# KiCad board SparkFun_BlueSMiRF-ESP32_panelized.kicad_pcb (continued)
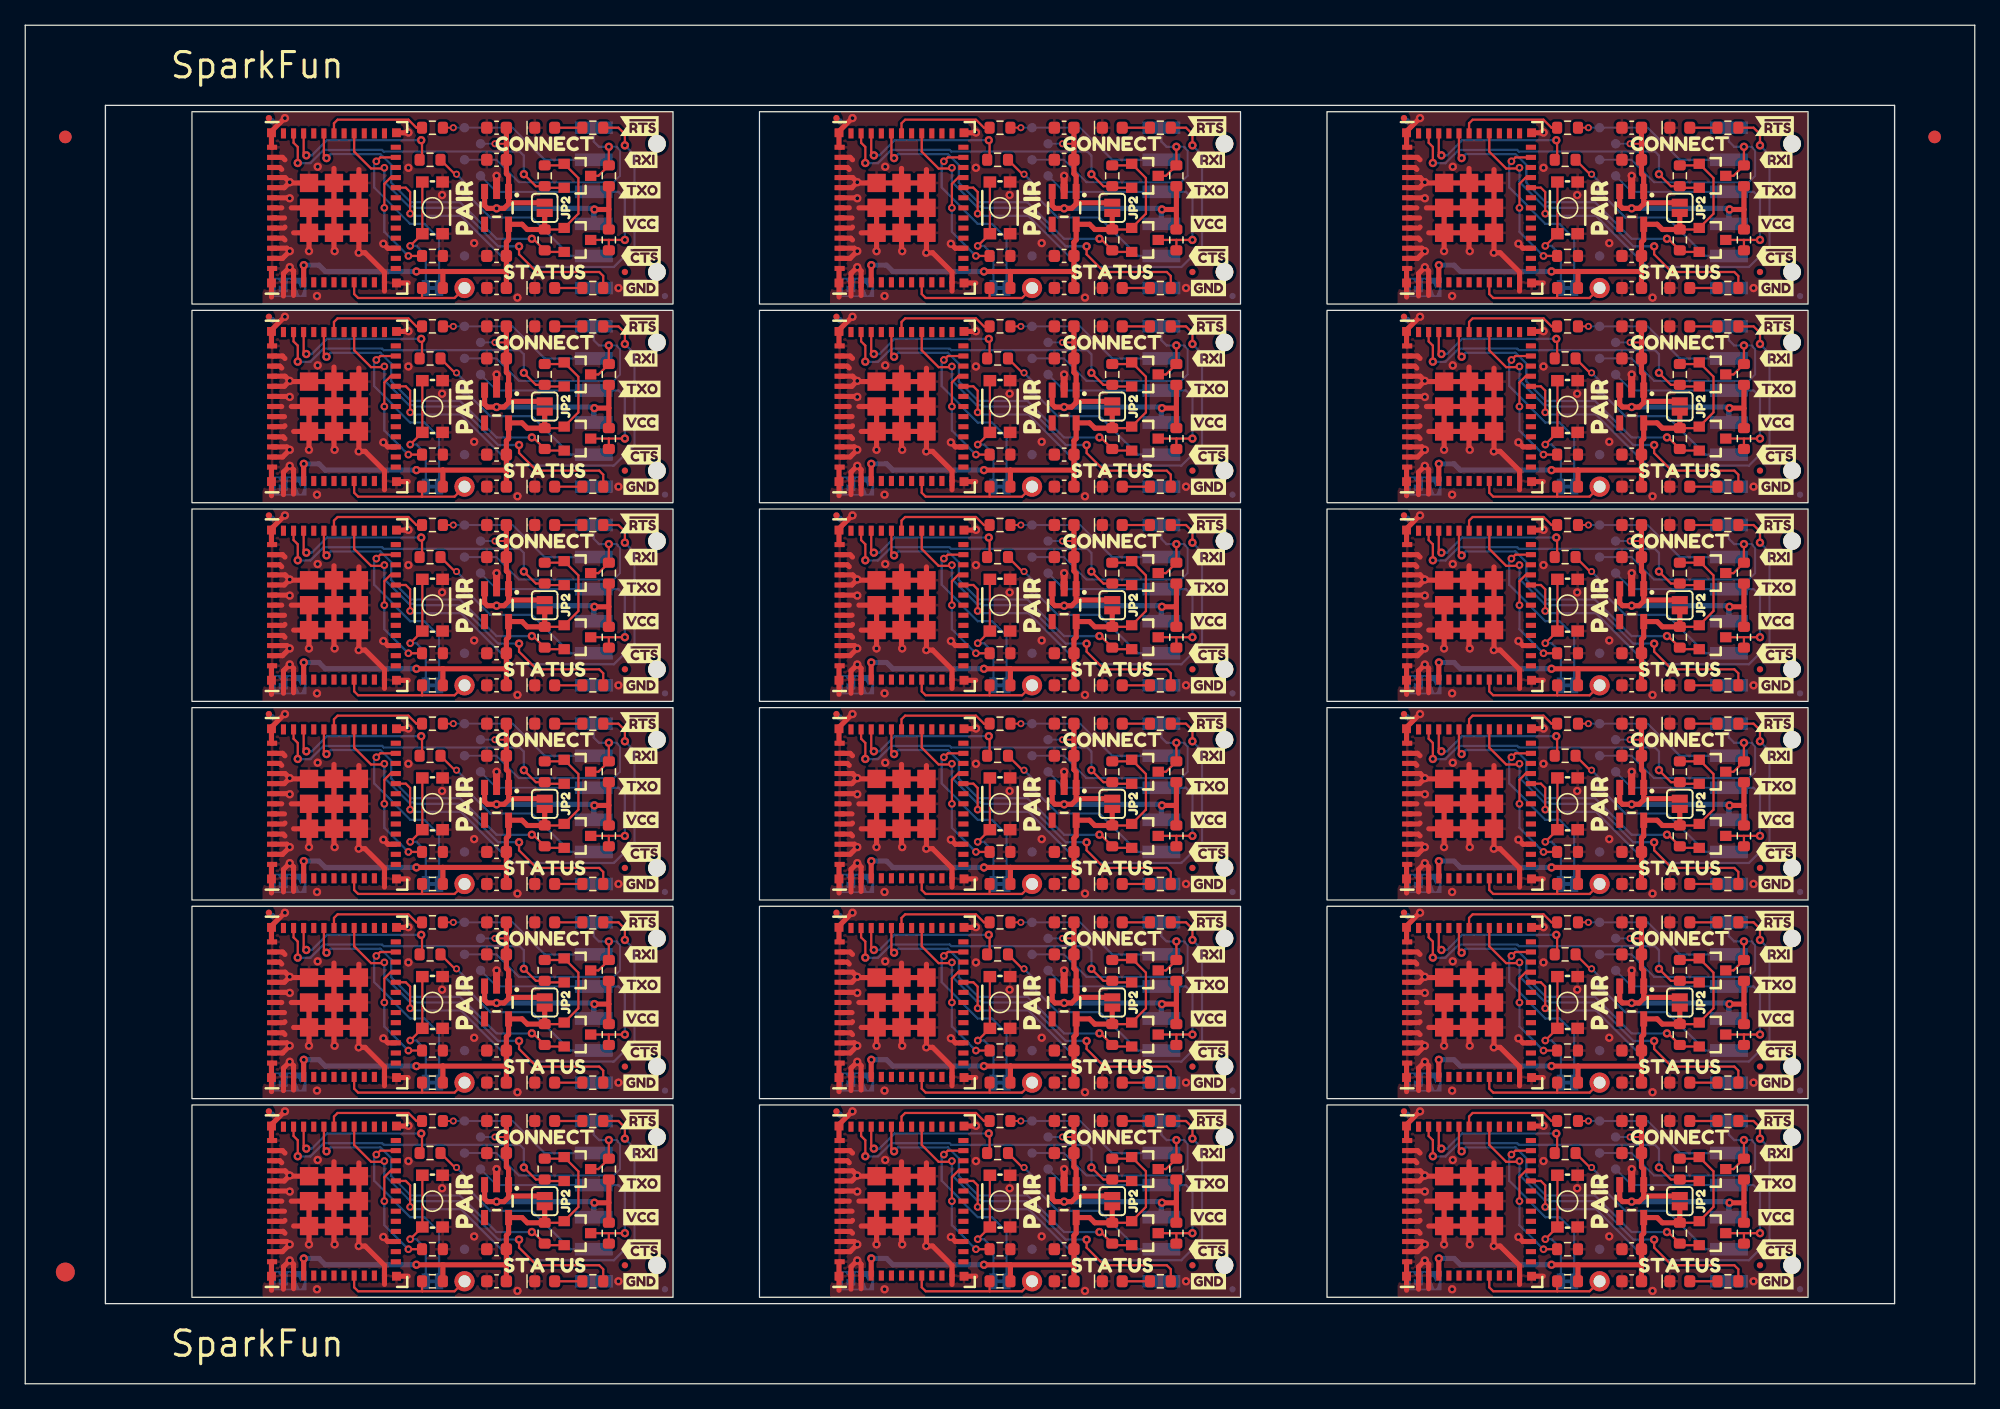
[diagram p0: board, top side]
## Routing (per net, layer and track width the routed paths; a pad name or vN(x,y) marks a point on that pad's centre or on a via; arc(x,y) is an arc through that point) (continued)
VCC: length 521.1
  Top w0.152: v2(37.2,51.03) 38.1,51.03 ; v2(37.2,35.29) 38.1,35.29 ; v2(37.2,66.77) 38.1,66.77 ; v2(127.1,51.03) 128,51.03 ; v2(82.15,19.55) 83.06,19.55 ; v2(127.1,35.29) 128,35.29 ; v2(37.2,19.55) 38.1,19.55 ; v2(127.1,82.51) 128,82.51 ; v2(127.1,98.25) 128,98.25 ; v2(37.2,98.25) 38.1,98.25 ; v2(82.15,51.03) 83.06,51.03 ; v2(82.15,82.51) 83.06,82.51 ; v2(37.2,82.51) 38.1,82.51 ; v2(82.15,98.25) 83.06,98.25 ; v2(82.15,35.29) 83.06,35.29 ; v2(82.15,66.77) 83.06,66.77 ; v2(127.1,19.55) 128,19.55 ; v2(127.1,66.77) 128,66.77
  Top w0.406: 83.23,62.01 83.32,62.1 JP2#15.1 ; 83.23,62.01 U2#10.1 83.23,64.22 83.06,64.4 C1#6.1 C2#18.1 ; 83.23,62.01 82.88,61.65 v1(82.28,61.65) 81.55,61.65 81.33,61.87 U2#10.3 ; R9#2.1 91.17,45.82 ; 91.17,45.82 R10#13.1 ; 91.17,45.82 v1(90.03,45.82) ; JP2#9.1 83.32,77.84 83.23,77.75 ; U2#12.3 126.28,93.35 126.5,93.13 v1(127.23,93.13) 127.82,93.13 128.18,93.49 ; JP2#4.1 38.37,30.62 38.28,30.53 ; U2#5.3 81.33,93.35 81.55,93.13 v1(82.28,93.13) 82.88,93.13 83.23,93.49 ; R9#15.1 46.22,61.56 ; 46.22,61.56 R10#14.1 ; 46.22,61.56 v1(45.08,61.56) ; R10#7.1 46.22,14.34 ; 46.22,14.34 v1(45.08,14.34) ; 46.22,14.34 R9#3.1 ; 83.23,30.53 83.32,30.62 JP2#8.1 ; 83.23,30.53 U2#17.1 83.23,32.74 83.06,32.92 C1#18.1 C2#9.1 ; 83.23,30.53 82.88,30.17 v1(82.28,30.17) 81.55,30.17 81.33,30.39 U2#17.3 ; v1(45.08,93.04) 46.22,93.04 ; 46.22,93.04 46.22,91.46 ; 46.22,93.04 R10.1 ; 83.23,46.27 83.32,46.36 JP2#5.1 ; 83.23,46.27 82.88,45.91 v1(82.28,45.91) 81.55,45.91 81.33,46.13 U2#14.3 ; 83.23,46.27 U2#14.1 83.23,48.48 83.06,48.66 C1#5.1 C2#8.1 ; 91.17,91.46 91.17,93.04 ; 91.17,93.04 v1(90.03,93.04) ; 91.17,93.04 R10#6.1 ; R9#13.1 136.12,30.08 ; 136.12,30.08 136.12,31.93 ; 136.12,30.08 v1(134.98,30.08) ; 83.23,93.49 U2#5.1 83.23,95.7 83.06,95.88 C1#16.1 C2#14.1 ; 83.23,93.49 83.32,93.58 JP2#10.1 ; 83.23,77.75 U2#4.1 83.23,79.96 83.06,80.14 C1#7.1 C2#2.1 ; 83.23,77.75 82.88,77.39 v1(82.28,77.39) 81.55,77.39 81.33,77.61 U2#4.3 ; 128.18,14.79 U2#15.1 128.18,17 128,17.18 C1#2.1 C2#7.1 ; 128.18,14.79 127.82,14.43 v1(127.23,14.43) 126.5,14.43 126.28,14.65 U2#15.3 ; 128.18,14.79 128.27,14.88 JP2#18.1 ; 128.18,62.01 U2#18.1 128.18,64.22 128,64.4 C1#10.1 C2#5.1 ; 128.18,62.01 127.82,61.65 v1(127.23,61.65) 126.5,61.65 126.28,61.87 U2#18.3 ; 128.18,62.01 128.27,62.1 JP2#14.1 ; C2#15.1 C1#3.1 38.1,64.4 38.28,64.22 U2#16.1 38.28,62.01 ; R9#4.1 91.17,77.3 ; 91.17,77.3 v1(90.03,77.3) ; 91.17,77.3 91.17,79.15 ; R9#8.1 136.12,77.3 ; 136.12,77.3 v1(134.98,77.3) ; 136.12,77.3 136.12,79.15 ; U2#16.3 36.38,61.87 36.6,61.65 v1(37.33,61.65) 37.92,61.65 38.28,62.01 ; 38.28,77.75 U2#11.1 38.28,79.96 38.1,80.14 C1#15.1 C2#10.1 ; 38.28,77.75 38.37,77.84 JP2#2.1 ; 38.28,77.75 37.92,77.39 v1(37.33,77.39) 36.6,77.39 36.38,77.61 U2#11.3 ; JP2#16.1 38.37,93.58 38.28,93.49 ; 136.12,91.46 136.12,93.04 ; 136.12,93.04 v1(134.98,93.04) ; 136.12,93.04 R10#8.1 ; R9#10.1 46.22,45.82 ; 46.22,45.82 v1(45.08,45.82) ; 46.22,45.82 R10#17.1 ; v1(45.08,30.08) 46.22,30.08 ; 46.22,30.08 46.22,31.93 ; 46.22,30.08 R9#17.1 ; JP2#11.1 83.32,14.88 83.23,14.79 ; 128.18,77.75 128.27,77.84 JP2#17.1 ; 128.18,77.75 127.82,77.39 v1(127.23,77.39) 126.5,77.39 126.28,77.61 U2#13.3 ; 128.18,77.75 U2#13.1 128.18,79.96 128,80.14 C1#17.1 C2#17.1 ; JP2#12.1 128.27,93.58 128.18,93.49 ; 38.28,62.01 38.37,62.1 JP2.1 ; 38.28,46.27 U2.1 38.28,48.48 38.1,48.66 C1#12.1 C2#6.1 ; 38.28,46.27 38.37,46.36 JP2#7.1 ; 38.28,46.27 37.92,45.91 v1(37.33,45.91) 36.6,45.91 36.38,46.13 U2.3 ; U2#7.3 126.28,46.13 126.5,45.91 v1(127.23,45.91) 127.82,45.91 128.18,46.27 ; 128.18,46.27 U2#7.1 128.18,48.48 128,48.66 C1.1 C2#16.1 ; 128.18,46.27 128.27,46.36 JP2#6.1 ; 38.28,93.49 37.92,93.13 v1(37.33,93.13) 36.6,93.13 36.38,93.35 U2#8.3 ; 38.28,93.49 U2#8.1 38.28,95.7 38.1,95.88 C1#8.1 C2#12.1 ; v1(134.98,61.56) 136.12,61.56 ; 136.12,61.56 R9#12.1 ; 136.12,61.56 R10#11.1 ; R10#12.1 136.12,14.34 ; 136.12,14.34 R9#6.1 ; 136.12,14.34 v1(134.98,14.34) ; v1(134.98,45.82) 136.12,45.82 ; 136.12,45.82 R9.1 ; 136.12,45.82 R10#3.1 ; 128.18,30.53 127.82,30.17 v1(127.23,30.17) 126.5,30.17 126.28,30.39 U2#6.3 ; 128.18,30.53 128.27,30.62 JP2#13.1 ; 128.18,30.53 U2#6.1 128.18,32.74 128,32.92 C1#14.1 C2#3.1 ; R10#16.1 91.17,14.34 ; 91.17,14.34 R9#16.1 ; 91.17,14.34 v1(90.03,14.34) ; 128.18,93.49 U2#12.1 128.18,95.7 128,95.88 C1#13.1 C2#11.1 ; 38.28,30.53 U2#3.1 38.28,32.74 38.1,32.92 C1#9.1 C2#13.1 ; 38.28,30.53 37.92,30.17 v1(37.33,30.17) 36.6,30.17 36.38,30.39 U2#3.3 ; R9#9.1 46.22,77.3 ; 46.22,77.3 46.22,79.15 ; 46.22,77.3 v1(45.08,77.3) ; R10#10.1 91.17,61.56 ; 91.17,61.56 v1(90.03,61.56) ; 91.17,61.56 R9#5.1 ; v1(90.03,30.08) 91.17,30.08 ; 91.17,30.08 R9#14.1 ; 91.17,30.08 91.17,31.93 ; C2#4.1 C1#11.1 38.1,17.18 38.28,17 U2#9.1 38.28,14.79 ; 83.23,14.79 82.88,14.43 v1(82.28,14.43) 81.55,14.43 81.33,14.65 U2#2.3 ; 83.23,14.79 U2#2.1 83.23,17 83.06,17.18 C1#4.1 C2.1 ; 38.28,14.79 38.37,14.88 JP2#3.1 ; 38.28,14.79 37.92,14.43 v1(37.33,14.43) 36.6,14.43 36.38,14.65 U2#9.3
  Bottom w0.152: TP7#4.1 v2(127.1,82.51) ; TP7.1 v2(127.1,35.29) ; TP7#10.1 v2(82.15,51.03) ; TP7#16.1 v2(127.1,51.03) ; TP7#14.1 v2(37.2,82.51) ; TP7#13.1 v2(127.1,66.77) ; TP7#2.1 v2(37.2,35.29) ; TP7#5.1 v2(82.15,98.25) ; TP7#12.1 v2(82.15,19.55) ; TP7#3.1 v2(82.15,82.51) ; TP7#17.1 v2(127.1,19.55) ; TP7#9.1 v2(82.15,35.29) ; TP7#6.1 v2(127.1,98.25) ; TP7#18.1 v2(37.2,66.77) ; TP7#8.1 v2(37.2,98.25) ; TP7#11.1 v2(82.15,66.77) ; TP7#7.1 v2(37.2,19.55) ; TP7#15.1 v2(37.2,51.03)
  Bottom w0.406: v1(45.08,93.04) 45.03,93 J1#16.4 45.03,93.09 44.99,93.13 v1(37.33,93.13) ; v1(45.08,61.56) 45.03,61.52 J1#15.4 45.03,61.61 44.99,61.65 v1(37.33,61.65) ; v1(134.98,30.08) 134.93,30.04 J1#18.4 134.93,30.13 134.89,30.17 v1(127.23,30.17) ; v1(90.03,77.3) 89.98,77.26 J1#3.4 89.98,77.35 89.94,77.39 v1(82.28,77.39) ; v1(134.98,45.82) 134.93,45.78 J1#6.4 134.93,45.87 134.89,45.91 v1(127.23,45.91) ; v1(37.33,30.17) 44.99,30.17 45.03,30.13 J1#7.4 45.03,30.04 v1(45.08,30.08) ; v1(90.03,61.56) 89.98,61.52 J1#14.4 89.98,61.61 89.94,61.65 v1(82.28,61.65) ; v1(37.33,77.39) 44.99,77.39 45.03,77.35 J1#13.4 45.03,77.26 v1(45.08,77.3) ; v1(90.03,45.82) 89.98,45.78 J1#11.4 89.98,45.87 89.94,45.91 v1(82.28,45.91) ; v1(134.98,61.56) 134.93,61.52 J1#9.4 134.93,61.61 134.89,61.65 v1(127.23,61.65) ; v1(90.03,93.04) 89.98,93 J1#10.4 89.98,93.09 89.94,93.13 v1(82.28,93.13) ; v1(127.23,77.39) 134.89,77.39 134.93,77.35 J1#8.4 134.93,77.26 v1(134.98,77.3) ; v1(37.33,14.43) 44.99,14.43 45.03,14.39 J1#5.4 45.03,14.3 v1(45.08,14.34) ; v1(82.28,30.17) 89.94,30.17 89.98,30.13 J1#2.4 89.98,30.04 v1(90.03,30.08) ; v1(134.98,14.34) 134.93,14.3 J1.4 134.93,14.39 134.89,14.43 v1(127.23,14.43) ; v1(134.98,93.04) 134.93,93 J1#12.4 134.93,93.09 134.89,93.13 v1(127.23,93.13) ; v1(82.28,14.43) 89.94,14.43 89.98,14.39 J1#17.4 89.98,14.3 v1(90.03,14.34) ; v1(45.08,45.82) 45.03,45.78 J1#4.4 45.03,45.87 44.99,45.91 v1(37.33,45.91)
/Connect: length 617.7
  Top w0.178: v1(137.39,82.38) 137.39,83.27 136.88,83.78 R5#13.1 ; U1#18.20 30.14,94.77 30.48,94.43 v3(30.48,92.71) ; v1(92.44,35.16) 92.44,36.05 91.93,36.56 R5#15.1 ; v1(92.44,50.9) 92.44,51.79 91.93,52.3 R5#8.1 ; U1#7.20 120.04,94.77 120.38,94.43 v3(120.38,92.71) ; v3(75.43,29.75) 75.43,31.47 75.09,31.81 U1#5.20 ; U1#10.20 120.04,16.07 120.38,15.73 v3(120.38,14.01) ; U1#8.20 120.04,47.55 120.38,47.21 v3(120.38,45.49) ; v3(75.43,14.01) 75.43,15.73 75.09,16.07 U1#12.20 ; R5#5.1 136.88,20.82 137.39,20.31 v1(137.39,19.42) ; v3(120.38,29.75) 120.38,31.47 120.04,31.81 U1#17.20 ; 45.78,68.04 46.98,68.04 47.49,67.53 v1(47.49,66.64) ; v3(120.38,61.23) 120.38,62.95 120.04,63.29 U1#6.20 ; U1#14.20 75.09,63.29 75.43,62.95 v3(75.43,61.23) ; v1(47.49,98.12) 47.49,99.01 46.98,99.52 45.78,99.52 ; R5#14.1 136.88,99.52 137.39,99.01 v1(137.39,98.12) ; v1(92.44,98.12) 92.44,99.01 91.93,99.52 R5#6.1 ; v3(75.43,45.49) 75.43,47.21 75.09,47.55 U1.20 ; v3(120.38,76.97) 120.38,78.69 120.04,79.03 U1#15.20 ; U1#11.20 30.14,63.29 30.48,62.95 v3(30.48,61.23) ; v1(137.39,35.16) 137.39,36.05 136.88,36.56 R5#18.1 ; v1(47.49,82.38) 47.49,83.27 46.98,83.78 45.78,83.78 ; v3(30.48,45.49) 30.48,47.21 30.14,47.55 U1#16.20 ; v1(92.44,82.38) 92.44,83.27 91.93,83.78 R5#9.1 ; v3(30.48,29.75) 30.48,31.47 30.14,31.81 U1#4.20 ; v3(75.43,76.97) 75.43,78.69 75.09,79.03 U1#13.20 ; U1#9.20 30.14,79.03 30.48,78.69 v3(30.48,76.97) ; 45.78,52.3 46.98,52.3 47.49,51.79 v1(47.49,50.9) ; R5.1 136.88,52.3 137.39,51.79 v1(137.39,50.9) ; R5#12.1 91.93,20.82 92.44,20.31 v1(92.44,19.42) ; v1(47.49,19.42) 47.49,20.31 46.98,20.82 45.78,20.82 ; 45.78,36.56 46.98,36.56 47.49,36.05 v1(47.49,35.16) ; R5#7.1 91.93,68.04 92.44,67.53 v1(92.44,66.64) ; v1(137.39,66.64) 137.39,67.53 136.88,68.04 R5#11.1 ; v3(75.43,92.71) 75.43,94.43 75.09,94.77 U1#2.20 ; U1#3.20 30.14,16.07 30.48,15.73 v3(30.48,14.01)
  Bottom w0.178: v1(47.49,66.64) 48.25,65.88 48.25,58.64 46.62,57.01 38.56,57.01 34.51,61.06 30.66,61.06 v3(30.48,61.23) ; v1(92.44,35.16) 93.2,34.4 93.2,27.16 91.57,25.53 83.51,25.53 79.46,29.58 75.61,29.58 v3(75.43,29.75) ; v1(92.44,50.9) 93.2,50.14 93.2,42.9 91.57,41.27 83.51,41.27 79.46,45.32 75.61,45.32 v3(75.43,45.49) ; v1(92.44,82.38) 93.2,81.62 93.2,74.38 91.57,72.75 83.51,72.75 79.46,76.8 75.61,76.8 v3(75.43,76.97) ; v1(92.44,98.12) 93.2,97.36 93.2,90.12 91.57,88.49 83.51,88.49 79.46,92.53 75.61,92.53 v3(75.43,92.71) ; v1(47.49,98.12) 48.25,97.36 48.25,90.12 46.62,88.49 38.56,88.49 34.51,92.53 30.66,92.53 v3(30.48,92.71) ; v1(137.39,66.64) 138.15,65.88 138.15,58.64 136.52,57.01 128.46,57.01 124.41,61.06 120.56,61.06 v3(120.38,61.23) ; v1(137.39,98.12) 138.15,97.36 138.15,90.12 136.52,88.49 128.46,88.49 124.41,92.53 120.56,92.53 v3(120.38,92.71) ; v1(92.44,19.42) 93.2,18.66 93.2,11.42 91.57,9.79 83.51,9.79 79.46,13.84 75.61,13.84 v3(75.43,14.01) ; v1(47.49,82.38) 48.25,81.62 48.25,74.38 46.62,72.75 38.56,72.75 34.51,76.8 30.66,76.8 v3(30.48,76.97) ; v3(30.48,45.49) 30.66,45.32 34.51,45.32 38.56,41.27 46.62,41.27 48.25,42.9 48.25,50.14 v1(47.49,50.9) ; v1(47.49,35.16) 48.25,34.4 48.25,27.16 46.62,25.53 38.56,25.53 34.51,29.58 30.66,29.58 v3(30.48,29.75) ; v3(75.43,61.23) 75.61,61.06 79.46,61.06 83.51,57.01 91.57,57.01 93.2,58.64 93.2,65.88 v1(92.44,66.64) ; v1(137.39,82.38) 138.15,81.62 138.15,74.38 136.52,72.75 128.46,72.75 124.41,76.8 120.56,76.8 v3(120.38,76.97) ; v3(120.38,29.75) 120.56,29.58 124.41,29.58 128.46,25.53 136.52,25.53 138.15,27.16 138.15,34.4 v1(137.39,35.16) ; v1(137.39,50.9) 138.15,50.14 138.15,42.9 136.52,41.27 128.46,41.27 124.41,45.32 120.56,45.32 v3(120.38,45.49) ; v3(30.48,14.01) 30.66,13.84 34.51,13.84 38.56,9.79 46.62,9.79 48.25,11.42 48.25,18.66 v1(47.49,19.42) ; v1(137.39,19.42) 138.15,18.66 138.15,11.42 136.52,9.79 128.46,9.79 124.41,13.84 120.56,13.84 v3(120.38,14.01)
/Status: length 491
  Top w0.178: U1#8.28 115.95,50.4 117.29,49.07 118.28,49.07 v3(118.34,49.12) ; v3(28.44,33.39) 28.38,33.33 27.39,33.33 26.05,34.66 U1#4.28 ; R6#17.1 90.72,40.55 90.41,40.87 85.45,40.87 84.06,42.27 v1(84.06,42.9) ; 45.78,86.82 45.78,87.77 45.46,88.09 40.5,88.09 39.11,89.49 v1(39.11,90.12) ; v3(73.39,80.61) 73.33,80.55 72.34,80.55 71,81.88 U1#13.28 ; U1#18.28 26.05,97.62 27.39,96.29 28.38,96.29 v3(28.44,96.34) ; v3(28.44,49.12) 28.38,49.07 27.39,49.07 26.05,50.4 U1#16.28 ; v3(118.34,17.65) 118.28,17.59 117.29,17.59 115.95,18.92 U1#10.28 ; R6#11.1 90.72,56.29 90.41,56.61 85.45,56.61 84.06,58.01 v1(84.06,58.64) ; R6#14.1 135.67,87.77 135.36,88.09 130.41,88.09 129.01,89.49 v1(129.01,90.12) ; R6.1 90.72,87.77 90.41,88.09 85.45,88.09 84.06,89.49 v1(84.06,90.12) ; v3(118.34,96.34) 118.28,96.29 117.29,96.29 115.95,97.62 U1#7.28 ; R6#2.1 90.72,9.07 90.41,9.39 85.45,9.39 84.06,10.79 v1(84.06,11.42) ; v3(73.39,17.65) 73.33,17.59 72.34,17.59 71,18.92 U1#12.28 ; 45.78,39.6 45.78,40.55 45.46,40.87 40.5,40.87 39.11,42.27 v1(39.11,42.9) ; v1(39.11,27.16) 39.11,26.53 40.5,25.13 45.46,25.13 45.78,24.81 45.78,23.86 ; U1#3.28 26.05,18.92 27.39,17.59 28.38,17.59 v3(28.44,17.65) ; v1(129.01,58.64) 129.01,58.01 130.41,56.61 135.36,56.61 135.67,56.29 R6#6.1 ; v1(129.01,74.38) 129.01,73.75 130.41,72.35 135.36,72.35 135.67,72.03 R6#10.1 ; U1#6.28 115.95,66.14 117.29,64.81 118.28,64.81 v3(118.34,64.87) ; U1#2.28 71,97.62 72.34,96.29 73.33,96.29 v3(73.39,96.34) ; v3(118.34,80.61) 118.28,80.55 117.29,80.55 115.95,81.88 U1#15.28 ; v3(73.39,33.39) 73.33,33.33 72.34,33.33 71,34.66 U1#5.28 ; R6#16.1 135.67,40.55 135.36,40.87 130.41,40.87 129.01,42.27 v1(129.01,42.9) ; R6#9.1 90.72,24.81 90.41,25.13 85.45,25.13 84.06,26.53 v1(84.06,27.16) ; U1#17.28 115.95,34.66 117.29,33.33 118.28,33.33 v3(118.34,33.39) ; 45.78,71.08 45.78,72.03 45.46,72.35 40.5,72.35 39.11,73.75 v1(39.11,74.38) ; R6#8.1 90.72,72.03 90.41,72.35 85.45,72.35 84.06,73.75 v1(84.06,74.38) ; 45.78,8.12 45.78,9.07 45.46,9.39 40.5,9.39 39.11,10.79 v1(39.11,11.42) ; U1#14.28 71,66.14 72.34,64.81 73.33,64.81 v3(73.39,64.87) ; R6#3.1 135.67,24.81 135.36,25.13 130.41,25.13 129.01,26.53 v1(129.01,27.16) ; U1#11.28 26.05,66.14 27.39,64.81 28.38,64.81 v3(28.44,64.87) ; U1.28 71,50.4 72.34,49.07 73.33,49.07 v3(73.39,49.12) ; R6#4.1 135.67,9.07 135.36,9.39 130.41,9.39 129.01,10.79 v1(129.01,11.42) ; v1(39.11,58.64) 39.11,58.01 40.5,56.61 45.46,56.61 45.78,56.29 45.78,55.34 ; v3(28.44,80.61) 28.38,80.55 27.39,80.55 26.05,81.88 U1#9.28
  Bottom w0.178: v3(28.44,96.34) 28.44,95.23 30.39,93.28 30.72,93.28 30.83,93.17 34.41,93.17 37.46,90.12 v1(39.11,90.12) ; v3(28.44,80.61) 28.44,79.49 30.39,77.54 30.72,77.54 30.83,77.43 34.41,77.43 37.46,74.38 v1(39.11,74.38) ; v1(129.01,90.12) 127.36,90.12 124.31,93.17 120.73,93.17 120.62,93.28 120.29,93.28 118.34,95.23 v3(118.34,96.34) ; v1(39.11,11.42) 37.46,11.42 34.41,14.47 30.83,14.47 30.72,14.58 30.39,14.58 28.44,16.53 v3(28.44,17.65) ; v3(73.39,33.39) 73.39,32.27 75.34,30.32 75.67,30.32 75.78,30.21 79.36,30.21 82.41,27.16 v1(84.06,27.16) ; v1(129.01,27.16) 127.36,27.16 124.31,30.21 120.73,30.21 120.62,30.32 120.29,30.32 118.34,32.27 v3(118.34,33.39) ; v3(118.34,49.12) 118.34,48.01 120.29,46.06 120.62,46.06 120.73,45.95 124.31,45.95 127.36,42.9 v1(129.01,42.9) ; v1(129.01,74.38) 127.36,74.38 124.31,77.43 120.73,77.43 120.62,77.54 120.29,77.54 118.34,79.49 v3(118.34,80.61) ; v1(39.11,27.16) 37.46,27.16 34.41,30.21 30.83,30.21 30.72,30.32 30.39,30.32 28.44,32.27 v3(28.44,33.39) ; v3(118.34,17.65) 118.34,16.53 120.29,14.58 120.62,14.58 120.73,14.47 124.31,14.47 127.36,11.42 v1(129.01,11.42) ; v3(73.39,49.12) 73.39,48.01 75.34,46.06 75.67,46.06 75.78,45.95 79.36,45.95 82.41,42.9 v1(84.06,42.9) ; v1(39.11,58.64) 37.46,58.64 34.41,61.69 30.83,61.69 30.72,61.8 30.39,61.8 28.44,63.75 v3(28.44,64.87) ; v1(84.06,58.64) 82.41,58.64 79.36,61.69 75.78,61.69 75.67,61.8 75.34,61.8 73.39,63.75 v3(73.39,64.87) ; v3(73.39,80.61) 73.39,79.49 75.34,77.54 75.67,77.54 75.78,77.43 79.36,77.43 82.41,74.38 v1(84.06,74.38) ; v3(73.39,17.65) 73.39,16.53 75.34,14.58 75.67,14.58 75.78,14.47 79.36,14.47 82.41,11.42 v1(84.06,11.42) ; v3(73.39,96.34) 73.39,95.23 75.34,93.28 75.67,93.28 75.78,93.17 79.36,93.17 82.41,90.12 v1(84.06,90.12) ; v1(39.11,42.9) 37.46,42.9 34.41,45.95 30.83,45.95 30.72,46.06 30.39,46.06 28.44,48.01 v3(28.44,49.12) ; v1(129.01,58.64) 127.36,58.64 124.31,61.69 120.73,61.69 120.62,61.8 120.29,61.8 118.34,63.75 v3(118.34,64.87)
PAIR: length 262.4
  Top w0.178: v3(117.7,81.12) 118.02,81.43 U1#15.23 ; U1#18.23 28.12,97.17 v3(27.81,96.86) ; U1#3.23 28.12,18.47 v3(27.81,18.16) ; U1#4.23 28.12,34.21 v3(27.81,33.9) ; U1.23 73.07,49.95 v3(72.75,49.64) ; v3(117.7,96.86) 118.02,97.17 U1#7.23 ; U1#9.23 28.12,81.43 v3(27.81,81.12) ; v3(72.75,65.38) 73.07,65.69 U1#14.23 ; v3(117.7,18.16) 118.02,18.47 U1#10.23 ; v3(117.7,49.64) 118.02,49.95 U1#8.23 ; U1#16.23 28.12,49.95 v3(27.81,49.64) ; v3(72.75,81.12) 73.07,81.43 U1#13.23 ; U1#2.23 73.07,97.17 v3(72.75,96.86) ; v3(72.75,18.16) 73.07,18.47 U1#12.23 ; v3(117.7,65.38) 118.02,65.69 U1#6.23 ; U1#17.23 118.02,34.21 v3(117.7,33.9) ; U1#11.23 28.12,65.69 v3(27.81,65.38) ; v3(72.75,33.9) 73.07,34.21 U1#5.23
  Bottom w0.178: JP1#18.2 32.77,12.04 31.62,13.2 30.48,13.2 29.14,14.55 29.14,14.58 27.63,16.09 27.63,17.98 v3(27.81,18.16) ; v3(72.75,96.86) 72.58,96.68 72.58,94.79 74.09,93.28 74.09,93.25 75.43,91.9 76.56,91.9 77.72,90.74 JP1#2.2 ; v3(72.75,33.9) 72.58,33.72 72.58,31.83 74.09,30.32 74.09,30.29 75.43,28.94 76.56,28.94 77.72,27.78 JP1#5.2 ; JP1#9.2 122.67,12.04 121.51,13.2 120.38,13.2 119.04,14.55 119.04,14.58 117.53,16.09 117.53,17.98 v3(117.7,18.16) ; JP1#15.2 77.72,43.52 76.56,44.68 75.43,44.68 74.09,46.03 74.09,46.06 72.58,47.57 72.58,49.46 v3(72.75,49.64) ; v3(117.7,81.12) 117.53,80.94 117.53,79.05 119.04,77.54 119.04,77.51 120.38,76.16 121.51,76.16 122.67,75 JP1#17.2 ; v3(72.75,18.16) 72.58,17.98 72.58,16.09 74.09,14.58 74.09,14.55 75.43,13.2 76.56,13.2 77.72,12.04 JP1#14.2 ; v3(72.75,81.12) 72.58,80.94 72.58,79.05 74.09,77.54 74.09,77.51 75.43,76.16 76.56,76.16 77.72,75 JP1#4.2 ; JP1#11.2 32.77,27.78 31.62,28.94 30.48,28.94 29.14,30.29 29.14,30.32 27.63,31.83 27.63,33.72 v3(27.81,33.9) ; v3(72.75,65.38) 72.58,65.2 72.58,63.31 74.09,61.8 74.09,61.77 75.43,60.42 76.56,60.42 77.72,59.26 JP1#16.2 ; JP1#6.2 122.67,27.78 121.51,28.94 120.38,28.94 119.04,30.29 119.04,30.32 117.53,31.83 117.53,33.72 v3(117.7,33.9) ; JP1#8.2 122.67,90.74 121.51,91.9 120.38,91.9 119.04,93.25 119.04,93.28 117.53,94.79 117.53,96.68 v3(117.7,96.86) ; v3(27.81,96.86) 27.63,96.68 27.63,94.79 29.14,93.28 29.14,93.25 30.48,91.9 31.62,91.9 32.77,90.74 JP1#12.2 ; v3(117.7,65.38) 117.53,65.2 117.53,63.31 119.04,61.8 119.04,61.77 120.38,60.42 121.51,60.42 122.67,59.26 JP1#7.2 ; v3(27.81,65.38) 27.63,65.2 27.63,63.31 29.14,61.8 29.14,61.77 30.48,60.42 31.62,60.42 32.77,59.26 JP1#13.2 ; v3(117.7,49.64) 117.53,49.46 117.53,47.57 119.04,46.06 119.04,46.03 120.38,44.68 121.51,44.68 122.67,43.52 JP1.2 ; JP1#10.2 32.77,43.52 31.62,44.68 30.48,44.68 29.14,46.03 29.14,46.06 27.63,47.57 27.63,49.46 v3(27.81,49.64) ; v3(27.81,81.12) 27.63,80.94 27.63,79.05 29.14,77.54 29.14,77.51 30.48,76.16 31.62,76.16 32.77,75 JP1#3.2
RX_HV: length 234.1
  Top w0.152: R3#5.2 v2(33.9,68.04) ; R3#15.2 v2(123.8,83.78) ; R3#9.2 v2(123.8,52.3) ; R3#13.2 v2(78.85,20.82) ; R3#12.2 v2(78.85,36.56) ; R3#10.2 v2(123.8,99.52) ; R3#11.2 v2(78.85,68.04) ; R3#14.2 v2(33.9,20.82) ; R3#8.2 v2(78.85,52.3) ; R3#16.2 v2(123.8,36.56) ; R3#7.2 v2(33.9,99.52) ; R3#2.2 v2(33.9,83.78) ; R3#4.2 v2(33.9,36.56) ; R3#18.2 v2(123.8,68.04) ; R3#3.2 v2(33.9,52.3) ; R3#6.2 v2(78.85,99.52) ; R3.2 v2(123.8,20.82) ; R3#17.2 v2(78.85,83.78)
  Bottom w0.152: 129.63,82.65 128.5,83.78 TP2#8.1 v2(123.8,83.78) ; 39.73,66.91 38.6,68.04 TP2#17.1 v2(33.9,68.04) ; v2(78.85,52.3) TP2.1 83.55,52.3 84.68,51.17 ; 84.68,66.91 83.55,68.04 TP2#6.1 v2(78.85,68.04) ; v2(123.8,36.56) TP2#16.1 128.5,36.56 129.63,35.43 ; 129.63,51.17 128.5,52.3 TP2#2.1 v2(123.8,52.3) ; 39.73,35.43 38.6,36.56 TP2#10.1 v2(33.9,36.56) ; v2(33.9,99.52) TP2#14.1 38.6,99.52 39.73,98.39 ; 84.68,35.43 83.55,36.56 TP2#3.1 v2(78.85,36.56) ; 39.73,82.65 38.6,83.78 TP2#18.1 v2(33.9,83.78) ; 84.68,19.69 83.55,20.82 TP2#13.1 v2(78.85,20.82) ; v2(33.9,52.3) TP2#4.1 38.6,52.3 39.73,51.17 ; v2(123.8,99.52) TP2#12.1 128.5,99.52 129.63,98.39 ; 84.68,98.39 83.55,99.52 TP2#5.1 v2(78.85,99.52) ; v2(123.8,68.04) TP2#9.1 128.5,68.04 129.63,66.91 ; 84.68,82.65 83.55,83.78 TP2#11.1 v2(78.85,83.78) ; v2(33.9,20.82) TP2#7.1 38.6,20.82 39.73,19.69 ; v2(123.8,20.82) TP2#15.1 128.5,20.82 129.63,19.69
  Bottom w0.178: 84.68,19.69 86.09,18.28 J1#17.2 ; 84.68,82.65 86.09,81.24 J1#3.2 ; J1#4.2 41.14,49.76 39.73,51.17 ; J1.2 131.04,18.28 129.63,19.69 ; 84.68,51.17 86.09,49.76 J1#11.2 ; J1#12.2 131.04,96.98 129.63,98.39 ; J1#9.2 131.04,65.5 129.63,66.91 ; 129.63,82.65 131.04,81.24 J1#8.2 ; J1#7.2 41.14,34.02 39.73,35.43 ; J1#15.2 41.14,65.5 39.73,66.91 ; J1#14.2 86.09,65.5 84.68,66.91 ; 39.73,98.39 41.14,96.98 J1#16.2 ; 129.63,51.17 131.04,49.76 J1#6.2 ; 129.63,35.43 131.04,34.02 J1#18.2 ; J1#10.2 86.09,96.98 84.68,98.39 ; J1#5.2 41.14,18.28 39.73,19.69 ; 84.68,35.43 86.09,34.02 J1#2.2 ; J1#13.2 41.14,81.24 39.73,82.65
RX_LV: length 146.8
  Top w0.178: U1#11.30 24.45,68.39 24.73,68.68 30.34,68.68 30.98,68.04 31.42,68.04 ; U1#6.30 114.35,68.39 114.63,68.68 120.25,68.68 120.88,68.04 121.32,68.04 ; 31.42,52.3 30.98,52.3 30.34,52.94 24.73,52.94 24.45,52.65 U1#16.30 ; U1#8.30 114.35,52.65 114.63,52.94 120.25,52.94 120.88,52.3 121.32,52.3 ; U1#14.30 69.4,68.39 69.69,68.68 75.29,68.68 75.93,68.04 R3#11.1 ; R3#6.1 75.93,99.52 75.29,100.16 69.69,100.16 69.4,99.87 U1#2.30 ; U1#12.30 69.4,21.17 69.69,21.46 75.29,21.46 75.93,20.82 R3#13.1 ; R3#8.1 75.93,52.3 75.29,52.94 69.69,52.94 69.4,52.65 U1.30 ; U1#18.30 24.45,99.87 24.73,100.16 30.34,100.16 30.98,99.52 31.42,99.52 ; 31.42,36.56 30.98,36.56 30.34,37.2 24.73,37.2 24.45,36.91 U1#4.30 ; U1#7.30 114.35,99.87 114.63,100.16 120.25,100.16 120.88,99.52 121.32,99.52 ; 121.32,20.82 120.88,20.82 120.25,21.46 114.63,21.46 114.35,21.17 U1#10.30 ; U1#17.30 114.35,36.91 114.63,37.2 120.25,37.2 120.88,36.56 121.32,36.56 ; 31.42,83.78 30.98,83.78 30.34,84.42 24.73,84.42 24.45,84.13 U1#9.30 ; U1#5.30 69.4,36.91 69.69,37.2 75.29,37.2 75.93,36.56 R3#12.1 ; 31.42,20.82 30.98,20.82 30.34,21.46 24.73,21.46 24.45,21.17 U1#3.30 ; U1#15.30 114.35,84.13 114.63,84.42 120.25,84.42 120.88,83.78 121.32,83.78 ; R3#17.1 75.93,83.78 75.29,84.42 69.69,84.42 69.4,84.13 U1#13.30
TX_HV: length 342.1
  Top w0.178: 136.12,74.07 136.12,74.89 ; 136.12,74.89 v1(137.39,74.89) ; 136.12,74.89 Q1#8.3 ; 91.17,43.41 Q1#11.3 ; 91.17,43.41 R9#2.2 ; 91.17,43.41 v1(92.44,43.41) ; v1(47.49,74.89) 46.22,74.89 ; 46.22,74.89 46.22,74.07 ; 46.22,74.89 Q1#13.3 ; 91.17,59.15 Q1#18.3 ; 91.17,59.15 v1(92.44,59.15) ; 91.17,59.15 R9#5.2 ; 136.12,59.15 Q1#3.3 ; 136.12,59.15 R9#12.2 ; 136.12,59.15 v1(137.39,59.15) ; 136.12,26.85 136.12,27.67 ; 136.12,27.67 v1(137.39,27.67) ; 136.12,27.67 Q1#9.3 ; R9.2 136.12,43.41 ; 136.12,43.41 v1(137.39,43.41) ; 136.12,43.41 Q1.3 ; 91.17,11.93 Q1#4.3 ; 91.17,11.93 R9#16.2 ; 91.17,11.93 v1(92.44,11.93) ; R9#7.2 91.17,90.63 ; 91.17,90.63 Q1#15.3 ; 91.17,90.63 v1(92.44,90.63) ; v1(47.49,59.15) 46.22,59.15 ; 46.22,59.15 Q1#10.3 ; 46.22,59.15 R9#15.2 ; 46.22,11.93 Q1#14.3 ; 46.22,11.93 v1(47.49,11.93) ; 46.22,11.93 R9#3.2 ; 91.17,74.89 Q1#7.3 ; 91.17,74.89 91.17,74.07 ; 91.17,74.89 v1(92.44,74.89) ; R9#18.2 46.22,90.63 ; 46.22,90.63 Q1#2.3 ; 46.22,90.63 v1(47.49,90.63) ; v1(47.49,27.67) 46.22,27.67 ; 46.22,27.67 46.22,26.85 ; 46.22,27.67 Q1#6.3 ; v1(137.39,11.93) 136.12,11.93 ; 136.12,11.93 R9#6.2 ; 136.12,11.93 Q1#5.3 ; v1(137.39,90.63) 136.12,90.63 ; 136.12,90.63 Q1#12.3 ; 136.12,90.63 R9#11.2 ; 46.22,43.41 Q1#16.3 ; 46.22,43.41 R9#10.2 ; 46.22,43.41 v1(47.49,43.41) ; 91.17,26.85 91.17,27.67 ; 91.17,27.67 Q1#17.3 ; 91.17,27.67 v1(92.44,27.67)
  Bottom w0.152: J1#6.3 127.23,47.22 TP4#9.1 ; J1#16.3 37.33,94.44 TP4#13.1 ; TP4#16.1 127.23,78.7 J1#8.3 ; TP4#8.1 127.23,62.96 J1#9.3 ; J1#13.3 37.33,78.7 TP4#15.1 ; TP4#2.1 37.33,31.48 J1#7.3 ; TP4#6.1 127.23,94.44 J1#12.3 ; J1#18.3 127.23,31.48 TP4#4.1 ; J1.3 127.23,15.74 TP4#17.1 ; TP4.1 82.28,15.74 J1#17.3 ; J1#11.3 82.28,47.22 TP4#14.1 ; J1#15.3 37.33,62.96 TP4#18.1 ; J1#2.3 82.28,31.48 TP4#12.1 ; TP4#5.1 82.28,62.96 J1#14.3 ; J1#4.3 37.33,47.22 TP4#7.1 ; TP4#11.1 82.28,94.44 J1#10.3 ; TP4#10.1 82.28,78.7 J1#3.3 ; TP4#3.1 37.33,15.74 J1#5.3
  Bottom w0.178: v1(47.49,74.89) 47.49,78.19 46.98,78.7 J1#13.3 ; J1#5.3 46.98,15.74 47.49,15.23 v1(47.49,11.93) ; v1(137.39,59.15) 137.39,62.45 136.88,62.96 J1#9.3 ; v1(92.44,90.63) 92.44,93.93 91.93,94.44 J1#10.3 ; v1(92.44,74.89) 92.44,78.19 91.93,78.7 J1#3.3 ; v1(92.44,59.15) 92.44,62.45 91.93,62.96 J1#14.3 ; v1(137.39,74.89) 137.39,78.19 136.88,78.7 J1#8.3 ; v1(92.44,43.41) 92.44,46.71 91.93,47.22 J1#11.3 ; v1(137.39,27.67) 137.39,30.97 136.88,31.48 J1#18.3 ; J1#15.3 46.98,62.96 47.49,62.45 v1(47.49,59.15) ; v1(47.49,43.41) 47.49,46.71 46.98,47.22 J1#4.3 ; J1#7.3 46.98,31.48 47.49,30.97 v1(47.49,27.67) ; J1#17.3 91.93,15.74 92.44,15.23 v1(92.44,11.93) ; J1.3 136.88,15.74 137.39,15.23 v1(137.39,11.93) ; J1#2.3 91.93,31.48 92.44,30.97 v1(92.44,27.67) ; J1#12.3 136.88,94.44 137.39,93.93 v1(137.39,90.63) ; J1#6.3 136.88,47.22 137.39,46.71 v1(137.39,43.41) ; J1#16.3 46.98,94.44 47.49,93.93 v1(47.49,90.63)
TX_LV: length 450.5
  Top w0.178: v1(85.07,43.5) 85.17,43.5 R7#16.2 86.22,42.46 Q1#11.2 ; U1#13.31 68.6,81.59 v1(68.81,81.37) ; U1#3.31 23.65,18.62 v1(23.86,18.41) ; v1(40.12,12.02) 40.22,12.02 R7#3.2 41.26,10.98 Q1#14.2 ; Q1#10.2 41.26,58.2 R7#15.2 40.22,59.24 v1(40.12,59.24) ; Q1#9.2 131.16,26.72 130.12,27.76 v1(130.02,27.76) ; Q1#3.2 131.16,58.2 R7#7.2 130.12,59.24 v1(130.02,59.24) ; U1.31 68.6,50.11 v1(68.81,49.89) ; U1#7.31 113.55,97.33 v1(113.76,97.11) ; v1(113.76,18.41) 113.55,18.62 U1#10.31 ; U1#18.31 23.65,97.33 v1(23.86,97.11) ; v1(23.86,49.89) 23.65,50.11 U1#16.31 ; v1(113.76,49.89) 113.55,50.11 U1#8.31 ; Q1#6.2 41.26,26.72 40.22,27.76 v1(40.12,27.76) ; U1#4.31 23.65,34.37 v1(23.86,34.15) ; Q1#5.2 131.16,10.98 R7#5.2 130.12,12.02 v1(130.02,12.02) ; Q1#17.2 86.22,26.72 85.17,27.76 v1(85.07,27.76) ; U1#11.31 23.65,65.85 v1(23.86,65.63) ; U1#2.31 68.6,97.33 v1(68.81,97.11) ; v1(85.07,90.72) 85.17,90.72 R7#4.2 86.22,89.68 Q1#15.2 ; U1#17.31 113.55,34.37 v1(113.76,34.15) ; v1(23.86,81.37) 23.65,81.59 U1#9.31 ; U1#12.31 68.6,18.62 v1(68.81,18.41) ; v1(113.76,81.37) 113.55,81.59 U1#15.31 ; v1(40.12,43.5) 40.22,43.5 R7#12.2 41.26,42.46 Q1#16.2 ; Q1#4.2 86.22,10.98 R7#8.2 85.17,12.02 v1(85.07,12.02) ; U1#6.31 113.55,65.85 v1(113.76,65.63) ; Q1#8.2 131.16,73.94 130.12,74.98 v1(130.02,74.98) ; v1(68.81,65.63) 68.6,65.85 U1#14.31 ; Q1#2.2 41.26,89.68 R7.2 40.22,90.72 v1(40.12,90.72) ; U1#5.31 68.6,34.37 v1(68.81,34.15) ; Q1#7.2 86.22,73.94 85.17,74.98 v1(85.07,74.98) ; Q1.2 131.16,42.46 R7#11.2 130.12,43.5 v1(130.02,43.5) ; Q1#18.2 86.22,58.2 R7#9.2 85.17,59.24 v1(85.07,59.24) ; v1(40.12,74.98) 40.22,74.98 41.26,73.94 Q1#13.2 ; v1(130.02,90.72) 130.12,90.72 R7#10.2 131.16,89.68 Q1#12.2